# Allegro board 038RT-9068CJK8E-A100_0921.brd (continued)
## Copper pours and planes (outline as drawn; the poured copper is in the pictures) (continued)
SG1_P0_VDDIO on L27_POWER: 614.22,210.83 614.22,217.18 612.95,218.45 601.2,218.45 600.69,217.94 600.69,209.93 600.92,209.7 613.09,209.7
SG1_P1_LDOOUT on L23_POWER: 598.48,203.78 598.15,204.11 596.93,204.11 596.35,203.53 589.69,203.53 588.99,202.82 580.27,202.82 575.75,207.34 569.17,207.34 568.66,206.83 568.66,197.68 569.17,197.18 597.43,197.18 598.48,198.23
SG1_P1_VDDIO on BOTTOM: 592.46,188.27 593.75,188.27 593.81,188.32 593.81,193.49 594.01,193.7 594.01,194.38 593.94,194.46 592.44,194.46 592.38,194.4 592.38,188.34
SG1_P1_VDDIO on L17_SIGNAL: 595.92,201.1 592.93,201.1 592.74,200.92 592.74,198.17 590.53,195.95 590.53,192.43 591.01,191.95 593.74,191.95 594.24,192.45 594.24,194.39 596.07,196.22 596.07,200.95
SG1_P2_GIGA_MDI+ on TOP (solid shape): 629.71,201.62 628.78,201.18 627.85,200.79 627.08,201.55 627.07,201.61 627.12,201.64
SG1_P2_GIGA_MDI- on TOP (solid shape): 628.78,202.46 629.71,202.02 627.12,202 627.07,202.03 627.08,202.09 627.85,202.85
SG1_P3_GIGA_MDI+ on TOP (solid shape): 629.71,196.98 628.78,196.54 627.85,196.15 627.08,196.91 627.08,196.97 627.12,197
SG1_P3_GIGA_MDI- on TOP (solid shape): 628.78,197.82 629.71,197.38 627.12,197.36 627.08,197.39 627.08,197.45 627.85,198.21
SG1_P5_LDOOUT on L29_POWER: 599.02,205.13 596.1,205.13 595.89,204.92 595.89,200.76 595.49,200.35 589.45,200.35 583.06,206.74 568.81,206.74 568.52,206.45 568.52,201.68 569.85,200.35 583.42,200.35 588.82,194.95 597.07,194.95 599.27,197.15 599.27,204.87
SG1_P5_VDDIO on BOTTOM: 599.83,188.27 598.53,188.27 598.48,188.32 598.48,193.53 598.56,193.6 599.78,193.6 599.91,193.48 599.91,188.34
SG1_P5_VDDIO on L23_POWER: 606.92,196.79 606.92,200.03 605.84,201.11 599.63,201.11 599.09,200.58 599.09,197.92 597.71,196.54 597.68,196.54 597.68,191.86 598.71,190.83 600.95,190.83
SG1_SRC_DVDD09 on TOP: 578.95,40.41 578.95,42.06 579.2,42.31 587.96,42.31 588.09,42.18 588.09,40.41 587.84,40.15 579.2,40.15
SG1_SRC_DVDD09 on BOTTOM: 581.5,205.51 581.58,205.58 581.58,206.8 581.45,206.93 572.96,206.93 572.65,206.62 572.65,205.66 572.8,205.51
SG1_SRC_DVDD09 on BOTTOM: 572.73,208.63 572.73,209.92 572.78,209.97 579.97,209.97 580.04,209.9 580.04,208.68 579.91,208.55 572.8,208.55
SG1_SRC_DVDD09 on L11_SIGNAL: 575.37,68.4 575.37,159.53 585.04,169.2 600.95,169.2 609.94,178.19 609.94,186.78 606.5,190.22 577.72,190.22 572.88,195.06 572.88,214.31 573.56,214.99 641.96,214.99 643.29,213.66 660.41,213.66 663.24,210.83 663.24,29.03 646.19,11.99 637.24,4.96 358.4,4.96 348.54,14.82 348.54,31.69 356.68,39.82 555.68,39.82 559.26,43.39 559.26,52.28
SG1_SRC_DVDD33 on TOP: 585.05,45.76 592.77,45.76 593.05,46.04 593.05,49.93 593.26,50.13 593.26,52.47 593.21,52.52 585.18,52.52 584.72,52.06 584.72,46.09
SG1_SRC_DVDD33 on BOTTOM: 574.79,202.13 574.79,200.83 574.84,200.78 580.05,200.78 580.13,200.86 580.13,202.07 580,202.2 574.87,202.2
SG1_SRC_DVDD33 on BOTTOM: 596.59,226.69 597.89,226.69 597.94,226.64 597.94,220.99 597.85,220.9 596.76,220.9 596.52,221.14 596.52,226.61
SG1_SRC_DVDD33 on BOTTOM: 574.79,198.09 574.79,196.8 574.84,196.75 580.05,196.75 580.13,196.82 580.13,198.04 580,198.17 574.87,198.17
SG1_SRC_DVDD33 on BOTTOM: 604.47,226.69 605.76,226.69 605.81,226.64 605.81,220.99 605.72,220.9 604.63,220.9 603.92,221.61 602.12,221.61 601.99,221.74 601.99,223.06 602.19,223.26 603.91,223.26 604.39,223.74 604.39,226.61
SG1_SRC_DVDD33 on BOTTOM: 594.5,184.29 594.5,189.91 594.55,189.96 597.57,189.96 597.72,189.81 597.72,184.35 597.57,184.19 594.6,184.19
SG1_SRC_DVDD33 on BOTTOM: 596.19,226.69 594.89,226.69 594.84,226.64 594.84,220.96 594.88,220.92 596.17,220.92 596.26,221.02 596.26,226.61
SG1_SRC_DVDD33 on BOTTOM: 572.73,217.11 572.73,215.82 572.78,215.77 577.99,215.77 578.06,215.84 578.06,217.06 577.94,217.19 572.8,217.19
SG1_SRC_DVDD33 on L13_SIGNAL: 572.13,190.67 572.13,228.73 569.93,230.93 564.44,230.93 563.76,231.61 563.76,235.49 565.61,237.34 616.23,237.34 629.31,224.27 629.31,150.74 623.12,144.55 606.94,144.55 591.72,129.32 591.72,25.97 586.23,20.47 424.59,20.47 423.91,21.15 423.91,63.7 428.66,68.45 512.4,68.45 517.15,73.21 517.15,133.72 552.71,169.28 604.52,169.28 608.59,173.35 608.59,181.49 606.35,183.73 579.07,183.73
SG1_SWR09_OFFLINE on TOP: 582.44,45.55 582.76,45.23 582.76,43.33 582.44,43.01 575.45,43.01 575.14,43.33 573.36,43.33 572.98,42.95 572.98,41.17 573.36,40.79 573.74,40.79 573.99,40.53 573.99,38.5 573.74,38.25 571.96,38.25 571.64,38.56 571.64,44.28 572.91,45.55
SG1_VBAT on L03_SIGNAL: 599.92,203.51 600.08,203.35 631.03,203.35 633.33,205.66 633.33,210.88 632.61,211.6 600.34,211.6 599.92,211.18
SG1_VDC on TOP: 585.65,24.02 594.8,24.02 595.02,23.8 595.02,22.39 594.77,22.15 593.65,22.15 593.27,21.77 593.27,17.67 592.63,17.03 586.28,17.03 585.01,18.3 585.01,23.38
SG2_1_P2_GIGA_MDI+ on TOP (solid shape): 57.96,271.26 58.89,270.82 56.3,270.8 56.25,270.83 56.26,270.89 57.03,271.65
SG2_1_P2_GIGA_MDI- on TOP (solid shape): 58.89,270.42 57.96,269.98 57.03,269.59 56.26,270.35 56.25,270.41 56.3,270.44
SG2_1_P3_GIGA_MDI+ on TOP (solid shape): 57.96,275.9 58.89,275.46 56.3,275.44 56.25,275.47 56.26,275.53 57.03,276.29
SG2_1_P3_GIGA_MDI- on TOP (solid shape): 58.89,275.06 57.96,274.62 57.03,274.23 56.26,274.99 56.25,275.05 56.3,275.08
SG2_2_P2_GIGA_MDI+ on TOP (solid shape): 53.23,270.96 53.21,270.92 53.18,270.9 51.93,270.95 52.48,271.65 53.05,272.32
SG2_2_P2_GIGA_MDI- on TOP (solid shape): 53.18,270.34 53.21,270.32 53.23,270.28 53.05,268.92 52.48,269.59 51.93,270.29
SG2_2_P3_GIGA_MDI+ on TOP (solid shape): 53.23,275.6 53.21,275.56 53.18,275.54 51.93,275.59 52.48,276.29 53.05,276.96
SG2_2_P3_GIGA_MDI- on TOP (solid shape): 53.18,274.98 53.21,274.96 53.23,274.92 53.05,273.56 52.48,274.23 51.93,274.93
SG2_AVDD09 on BOTTOM: 112.29,260.38 112.29,261.67 112.24,261.72 107.19,261.72 106.89,261.43 106.89,260.51 107.1,260.3 112.22,260.3
SG2_AVDD09 on L30_POWER: 112.12,260.78 112.12,279.13 108.93,282.32 80.94,282.32 79.69,281.07 79.69,257.99 80.17,257.51 108.85,257.51
SG2_AVDD33 on BOTTOM: 97.81,250.05 96.51,250.05 96.46,250.1 96.46,255.15 96.59,255.28 97.63,255.28 97.89,255.02 97.89,250.12
SG2_AVDD33 on L29_POWER: 83.04,272.72 83.04,259.07 88.36,253.76 102.81,253.76 104,254.94 104,267.96 100.43,271.53 95.61,271.53 95.31,271.23 95.31,266.9 95.12,266.71 90.84,266.71 90.66,266.88 90.66,273.99 90.34,274.31 84.63,274.31
SG2_AVDD33_MOSFET on BOTTOM: 90.58,250.05 91.88,250.05 91.93,250.1 91.93,255.28 91.8,255.4 87.26,255.4 86.85,255 86.85,253.04 86.9,252.99 89.74,252.99 90.5,252.23 90.5,250.12
SG2_AVDD33_MOSFET on L27_POWER: 90.51,262.56 90.51,254.46 92.25,252.72 101.14,252.72 102.73,254.31 102.73,261.93 101.94,262.72 90.66,262.72
SG2_CKXTAL1 on BOTTOM (solid shape): 85.94,280.37 86.53,279.86 85.34,279.71 85.3,279.73 85.28,279.77 85.33,280.86
SG2_DVDD09 on BOTTOM: 115.89,269.04 115.89,267.74 115.84,267.69 105.31,267.69 105.14,267.52 103.59,267.52 103.46,267.64 103.46,268.81 103.76,269.11 115.81,269.11
SG2_DVDD09 on L23_POWER: 84.98,257.48 104.95,257.48 108.44,260.98 108.44,268.42 107.82,269.04 102.8,269.04 102.06,268.31 94.27,268.31 93.51,267.54 92.67,267.54 91.91,268.31 84.69,268.31 84.19,267.8 84.19,258.27
SG2_DVDD33 on BOTTOM: 112.26,277.77 112.26,276.47 112.21,276.42 107.03,276.42 106.87,276.26 105.83,276.26 105.67,276.41 105.67,277.78 105.74,277.84 112.18,277.84
SG2_DVDD33 on L27_POWER: 93.71,268.43 93.71,276.9 94.33,277.52 109.09,277.52 110.36,276.25 110.36,268.57 109.92,268.13 94.02,268.13
SG2_GPIO_VDDIO on BOTTOM: 114.32,258.75 114.32,257.45 114.27,257.4 109.22,257.4 109.09,257.53 109.09,258.57 109.35,258.82 114.25,258.82
SG2_GPIO_VDDIO on L15_SIGNAL: 92.9,270.49 92.9,260.48 93.2,260.17 100.18,260.17 102.93,257.42 110.09,257.42 110.53,257.86 110.53,270.42 110.23,270.72 93.13,270.72
SG2_LDOIN on BOTTOM: 112.26,273.73 112.26,272.44 112.21,272.39 107.15,272.39 106.87,272.67 106.87,273.4 107.28,273.81 112.18,273.81
SG2_LDOIN on L17_SIGNAL: 102.68,263.36 90.81,263.36 90.54,263.63 90.54,268.71 90.93,269.1 99.71,269.1 103.94,273.33 110.16,273.33 110.76,272.74 110.76,267.25 108.89,265.38 104.7,265.38
SG2_P0_LDOOUT on L15_SIGNAL: 91.15,237.47 92.06,238.37 92.06,246.25 93.2,247.39 93.2,257.48 92.29,258.4 92.29,264.9 92.06,265.13 84.4,265.13 84.2,264.93 84.2,237.99 84.72,237.47
SG2_P0_VDDIO on BOTTOM: 82.71,250.05 84,250.05 84.05,250.1 84.05,255.15 83.9,255.3 82.91,255.3 82.63,255.02 82.63,250.12
SG2_P0_VDDIO on L27_POWER: 76.37,261.61 76.37,255.26 77.64,253.99 89.39,253.99 89.9,254.5 89.9,262.51 89.67,262.74 77.5,262.74
SG2_P1_LDOOUT on L23_POWER: 92.11,268.66 92.44,268.33 93.66,268.33 94.24,268.91 100.9,268.91 101.6,269.62 110.33,269.62 114.84,265.1 121.42,265.1 121.93,265.61 121.93,274.76 121.43,275.26 93.16,275.26 92.11,274.21
SG2_P1_VDDIO on BOTTOM: 98.13,284.17 96.84,284.17 96.79,284.12 96.79,278.95 96.58,278.74 96.58,278.06 96.66,277.98 98.15,277.98 98.21,278.04 98.21,284.1
SG2_P1_VDDIO on L17_SIGNAL: 94.67,271.34 97.67,271.34 97.85,271.52 97.85,274.27 100.07,276.49 100.07,280.01 99.59,280.49 96.85,280.49 96.35,279.99 96.35,278.05 94.52,276.22 94.52,271.49
SG2_P2_GIGA_MDI+ on TOP (solid shape): 63.51,270.89 63.52,270.83 63.47,270.8 60.89,270.82 61.81,271.26 62.74,271.65
SG2_P2_GIGA_MDI- on TOP (solid shape): 63.47,270.44 63.52,270.41 63.51,270.35 62.74,269.59 61.81,269.98 60.89,270.42
SG2_P3_GIGA_MDI+ on TOP (solid shape): 63.51,275.53 63.52,275.47 63.47,275.44 60.89,275.46 61.81,275.9 62.74,276.29
SG2_P3_GIGA_MDI- on TOP (solid shape): 63.47,275.08 63.52,275.05 63.51,274.99 62.74,274.23 61.81,274.62 60.89,275.06
SG2_P5_LDOOUT on L29_POWER: 91.58,267.31 94.5,267.31 94.7,267.52 94.7,271.68 95.11,272.09 101.14,272.09 107.53,265.7 121.78,265.7 122.07,265.99 122.07,270.76 120.74,272.09 107.17,272.09 101.77,277.49 93.52,277.49 91.32,275.29 91.32,267.57
SG2_P5_VDDIO on BOTTOM: 90.76,284.17 92.06,284.17 92.11,284.12 92.11,278.91 92.03,278.84 90.81,278.84 90.69,278.96 90.69,284.1
SG2_P5_VDDIO on L23_POWER: 83.68,275.65 83.68,272.41 84.76,271.33 91.17,271.33 91.5,271.66 91.5,274.52 92.88,275.9 92.91,275.9 92.91,280.58 91.88,281.61 89.65,281.61
SG2_SRC_DVDD09 on TOP: 152.6,453.68 152.6,452.03 152.35,451.77 143.58,451.77 143.46,451.9 143.46,453.68 143.71,453.93 152.35,453.93
SG2_SRC_DVDD09 on BOTTOM: 117.87,263.81 117.87,262.52 117.82,262.47 110.62,262.47 110.55,262.54 110.55,263.76 110.68,263.89 117.79,263.89
SG2_SRC_DVDD09 on BOTTOM: 109.09,266.93 109.01,266.86 109.01,265.64 109.14,265.51 117.64,265.51 117.94,265.82 117.94,266.78 117.79,266.93
SG2_SRC_DVDD09 on L11_SIGNAL: 45.25,307.89 45.25,462.13 58.79,475.67 337.58,475.67 349.36,463.88 349.36,439.29 347.53,437.46 310.04,437.46 308.71,438.8 241.5,438.8 240.17,437.46 214.54,437.46 208.09,431.01 121.21,431.01 109.1,418.9 109.1,306.83 103.54,301.27 87.52,301.27 80.41,294.15 80.41,285.62 86.05,279.97 114.35,279.97 118.78,275.55 118.78,256 117.7,254.91 25.39,254.91 22.04,258.27 22.04,284.68
SG2_SRC_DVDD33 on TOP: 146.5,448.32 138.77,448.32 138.49,448.04 138.49,444.16 138.29,443.95 138.29,441.62 138.34,441.57 146.37,441.57 146.83,442.02 146.83,447.99
SG2_SRC_DVDD33 on BOTTOM: 86.13,245.75 84.83,245.75 84.78,245.8 84.78,251.45 84.87,251.54 85.96,251.54 86.67,250.83 88.48,250.83 88.6,250.7 88.6,249.38 88.4,249.18 86.68,249.18 86.2,248.7 86.2,245.83
SG2_SRC_DVDD33 on BOTTOM: 94,245.75 92.7,245.75 92.65,245.8 92.65,251.45 92.74,251.54 93.84,251.54 94.08,251.3 94.08,245.83
SG2_SRC_DVDD33 on BOTTOM: 115.8,270.31 115.8,271.61 115.75,271.66 110.54,271.66 110.47,271.58 110.47,270.37 110.59,270.24 115.73,270.24
SG2_SRC_DVDD33 on BOTTOM: 117.87,255.33 117.87,256.62 117.82,256.67 112.61,256.67 112.53,256.6 112.53,255.38 112.66,255.25 117.79,255.25
SG2_SRC_DVDD33 on BOTTOM: 96.09,288.15 96.09,282.53 96.04,282.48 93.02,282.48 92.87,282.63 92.87,288.09 93.03,288.25 95.99,288.25
SG2_SRC_DVDD33 on BOTTOM: 94.41,245.75 95.7,245.75 95.75,245.8 95.75,251.48 95.72,251.52 94.42,251.52 94.33,251.42 94.33,245.83
SG2_SRC_DVDD33 on BOTTOM: 115.8,274.35 115.8,275.64 115.75,275.69 110.54,275.69 110.47,275.62 110.47,274.4 110.59,274.27 115.73,274.27
SG2_SRC_DVDD33 on L13_SIGNAL: 118.21,291.43 118.21,244.24 120.31,242.15 127.04,242.15 128,241.19 128,234.06 126.93,232.98 69.67,232.98 67.54,235.11 67.54,260.21 66.33,261.42 66.33,293.83 69.42,296.92 69.42,324.02 71.32,325.92 71.32,345.59 96.94,371.2 96.94,442.82 120.99,466.88 266.39,466.88 269.67,463.6 269.67,416.75 264.92,412 188.99,412 177.11,400.12 177.11,350.33
SG2_SWR09_OFFLINE on TOP: 149.11,448.54 148.79,448.85 148.79,450.76 149.11,451.08 156.09,451.08 156.41,450.76 158.19,450.76 158.57,451.14 158.57,452.92 158.19,453.3 157.81,453.3 157.55,453.55 157.55,455.58 157.81,455.84 159.59,455.84 159.9,455.52 159.9,449.81 158.63,448.54
SG2_VBAT on L03_SIGNAL: 90.67,268.93 90.51,269.09 59.57,269.09 57.26,266.78 57.26,261.56 57.98,260.84 90.25,260.84 90.67,261.26
SG2_VDC on TOP: 133.38,445.45 126.4,445.45 125.76,446.08 125.76,451.8 126.4,452.43 132.75,452.43 134.02,451.16 134.02,446.08
SG3_1_P2_GIGA_MDI+ on TOP (solid shape): 634.29,261.64 634.34,261.61 634.33,261.55 633.57,260.79 632.63,261.18 631.71,261.62
SG3_1_P2_GIGA_MDI- on TOP (solid shape): 634.33,262.09 634.34,262.03 634.29,262 631.71,262.02 632.63,262.46 633.57,262.85
SG3_1_P3_GIGA_MDI+ on TOP (solid shape): 634.29,257 634.34,256.97 634.33,256.91 633.57,256.15 632.63,256.54 631.71,256.98
SG3_1_P3_GIGA_MDI- on TOP (solid shape): 634.33,257.45 634.34,257.39 634.29,257.36 631.71,257.38 632.63,257.82 633.57,258.21
SG3_2_P2_GIGA_MDI+ on TOP (solid shape): 638.66,261.49 638.11,260.79 637.55,260.12 637.37,261.48 637.38,261.52 637.42,261.54
SG3_2_P2_GIGA_MDI- on TOP (solid shape): 638.11,262.85 638.66,262.15 637.42,262.1 637.38,262.12 637.37,262.16 637.55,263.52
SG3_2_P3_GIGA_MDI+ on TOP (solid shape): 638.66,256.85 638.11,256.15 637.55,255.48 637.37,256.84 637.38,256.88 637.42,256.9
SG3_2_P3_GIGA_MDI- on TOP (solid shape): 638.11,258.21 638.66,257.51 637.42,257.46 637.38,257.48 637.37,257.52 637.55,258.88
SG3_AVDD09 on BOTTOM: 578.3,272.06 578.3,270.77 578.35,270.72 583.41,270.72 583.7,271.01 583.7,271.93 583.5,272.14 578.38,272.14
SG3_AVDD09 on L30_POWER: 578.47,271.66 578.47,253.31 581.66,250.12 609.66,250.12 610.9,251.37 610.9,274.45 610.42,274.93 581.75,274.93
SG3_AVDD33 on BOTTOM: 592.78,282.39 594.08,282.39 594.13,282.34 594.13,277.29 594.01,277.16 592.96,277.16 592.71,277.42 592.71,282.32
SG3_AVDD33 on L29_POWER: 607.55,259.71 607.55,273.37 602.24,278.68 587.78,278.68 586.6,277.5 586.6,264.48 590.17,260.91 594.98,260.91 595.28,261.21 595.28,265.54 595.47,265.73 599.75,265.73 599.93,265.56 599.93,258.44 600.25,258.13 605.96,258.13
SG3_AVDD33_MOSFET on BOTTOM: 600.01,282.39 598.72,282.39 598.67,282.34 598.67,277.16 598.79,277.04 603.34,277.04 603.74,277.44 603.74,279.4 603.69,279.45 600.85,279.45 600.09,280.21 600.09,282.32
SG3_AVDD33_MOSFET on L27_POWER: 600.08,269.88 600.08,277.98 598.34,279.72 589.45,279.72 587.87,278.13 587.87,270.51 588.65,269.72 599.93,269.72
SG3_CKXTAL1 on BOTTOM (solid shape): 605.25,252.73 605.29,252.71 605.31,252.67 605.27,251.58 604.66,252.07 604.07,252.58
SG3_DVDD09 on BOTTOM: 574.71,263.4 574.71,264.7 574.76,264.75 585.28,264.75 585.45,264.92 587,264.92 587.13,264.8 587.13,263.63 586.83,263.33 574.78,263.33
SG3_DVDD09 on L23_POWER: 605.62,274.95 585.64,274.95 582.15,271.46 582.15,264.02 582.78,263.4 587.79,263.4 588.53,264.13 596.33,264.13 597.09,264.9 597.93,264.9 598.69,264.13 605.9,264.13 606.41,264.64 606.41,274.17
SG3_DVDD33 on BOTTOM: 578.33,254.67 578.33,255.97 578.39,256.02 583.56,256.02 583.73,256.18 584.77,256.18 584.92,256.03 584.92,254.66 584.86,254.6 578.41,254.6
SG3_DVDD33 on L27_POWER: 596.88,264.01 596.88,255.54 596.27,254.92 581.5,254.92 580.23,256.19 580.23,263.87 580.67,264.31 596.57,264.31
SG3_GPIO_VDDIO on BOTTOM: 576.27,273.69 576.27,274.99 576.32,275.04 581.37,275.04 581.5,274.91 581.5,273.87 581.25,273.62 576.35,273.62
SG3_GPIO_VDDIO on L15_SIGNAL: 597.7,261.95 597.7,271.96 597.39,272.27 590.41,272.27 587.66,275.02 580.5,275.02 580.06,274.58 580.06,262.02 580.36,261.72 597.47,261.72
SG3_LDOIN on BOTTOM: 578.33,258.71 578.33,260 578.39,260.05 583.44,260.05 583.73,259.77 583.73,259.04 583.31,258.63 578.41,258.63
SG3_LDOIN on L17_SIGNAL: 587.91,269.08 599.78,269.08 600.06,268.81 600.06,263.73 599.67,263.34 590.88,263.34 586.65,259.11 580.43,259.11 579.84,259.7 579.84,265.19 581.7,267.06 585.89,267.06
SG3_P0_LDOOUT on L15_SIGNAL: 599.44,294.97 598.53,294.07 598.53,286.19 597.39,285.05 597.39,274.95 598.31,274.04 598.31,267.54 598.53,267.31 606.19,267.31 606.4,267.51 606.4,294.45 605.87,294.97
SG3_P0_VDDIO on BOTTOM: 607.89,282.39 606.59,282.39 606.54,282.34 606.54,277.29 606.69,277.14 607.69,277.14 607.96,277.42 607.96,282.32
SG3_P0_VDDIO on L27_POWER: 614.22,270.83 614.22,277.18 612.95,278.45 601.2,278.45 600.69,277.94 600.69,269.93 600.92,269.7 613.09,269.7
SG3_P1_LDOOUT on L23_POWER: 598.48,263.78 598.15,264.11 596.93,264.11 596.35,263.52 589.69,263.52 588.99,262.82 580.27,262.82 575.75,267.33 569.17,267.33 568.66,266.83 568.66,257.68 569.17,257.18 597.43,257.18 598.48,258.23
SG3_P1_VDDIO on BOTTOM: 592.46,248.27 593.75,248.27 593.81,248.32 593.81,253.49 594.01,253.7 594.01,254.38 593.94,254.46 592.44,254.46 592.38,254.4 592.38,248.34
SG3_P1_VDDIO on L17_SIGNAL: 595.92,261.1 592.93,261.1 592.74,260.92 592.74,258.17 590.53,255.95 590.53,252.43 591.01,251.95 593.74,251.95 594.24,252.45 594.24,254.39 596.07,256.22 596.07,260.95
SG3_P2_GIGA_MDI+ on TOP (solid shape): 629.71,261.62 628.78,261.18 627.85,260.79 627.08,261.55 627.07,261.61 627.12,261.64
SG3_P2_GIGA_MDI- on TOP (solid shape): 628.78,262.46 629.71,262.02 627.12,262 627.07,262.03 627.08,262.09 627.85,262.85
SG3_P3_GIGA_MDI+ on TOP (solid shape): 629.71,256.98 628.78,256.54 627.85,256.15 627.08,256.91 627.08,256.97 627.12,257
SG3_P3_GIGA_MDI- on TOP (solid shape): 628.78,257.82 629.71,257.38 627.12,257.36 627.08,257.39 627.08,257.45 627.85,258.21
SG3_P5_LDOOUT on L29_POWER: 599.02,265.13 596.1,265.13 595.89,264.92 595.89,260.76 595.49,260.35 589.45,260.35 583.06,266.74 568.81,266.74 568.52,266.45 568.52,261.68 569.85,260.35 583.42,260.35 588.82,254.95 597.07,254.95 599.27,257.15 599.27,264.87
SG3_P5_VDDIO on BOTTOM: 599.83,248.27 598.53,248.27 598.48,248.32 598.48,253.53 598.56,253.6 599.78,253.6 599.91,253.48 599.91,248.34
SG3_P5_VDDIO on L23_POWER: 606.92,256.79 606.92,260.03 605.84,261.11 599.63,261.11 599.09,260.58 599.09,257.92 597.71,256.54 597.68,256.54 597.68,251.85 598.71,250.82 600.95,250.82
SG3_SRC_DVDD09 on TOP: 568.81,450.66 568.81,449.01 568.56,448.75 559.8,448.75 559.67,448.88 559.67,450.66 559.92,450.91 568.56,450.91
SG3_SRC_DVDD09 on BOTTOM: 572.73,268.63 572.73,269.92 572.78,269.97 579.97,269.97 580.04,269.9 580.04,268.68 579.91,268.55 572.8,268.55
SG3_SRC_DVDD09 on BOTTOM: 581.5,265.51 581.58,265.58 581.58,266.8 581.45,266.93 572.96,266.93 572.65,266.62 572.65,265.66 572.8,265.51
SG3_SRC_DVDD09 on L11_SIGNAL: 572.68,286.39 574.75,288.46 626.66,288.46 636.93,278.19 640.49,278.19 641.11,278.81 641.11,290.41 636.64,294.88 609.66,294.88 606.71,297.82 606.71,429.65 604.34,432.03 503.51,432.03 501.82,433.73 491.92,433.73 490.08,435.56 490.08,476.05 494.38,480.35 651.35,480.35 653.96,477.74 653.96,381.65 648.37,376.07 648.37,314.27 670.68,291.97 670.68,248.28 664.68,242.28 605.39,242.28 601.53,246.14 577.13,246.14 572.68,250.58
SG3_SRC_DVDD33 on TOP: 562.71,445.3 554.98,445.3 554.71,445.02 554.71,441.14 554.5,440.93 554.5,438.6 554.55,438.55 562.58,438.55 563.04,439 563.04,444.97
SG3_SRC_DVDD33 on BOTTOM: 594.5,244.29 594.5,249.91 594.55,249.96 597.57,249.96 597.72,249.81 597.72,244.35 597.57,244.19 594.6,244.19
SG3_SRC_DVDD33 on BOTTOM: 596.59,286.69 597.89,286.69 597.94,286.64 597.94,280.99 597.85,280.9 596.76,280.9 596.52,281.14 596.52,286.61
SG3_SRC_DVDD33 on BOTTOM: 574.79,262.13 574.79,260.83 574.84,260.78 580.05,260.78 580.13,260.86 580.13,262.07 580,262.2 574.87,262.2
SG3_SRC_DVDD33 on BOTTOM: 572.73,277.11 572.73,275.82 572.78,275.77 577.99,275.77 578.06,275.84 578.06,277.06 577.94,277.19 572.8,277.19
SG3_SRC_DVDD33 on BOTTOM: 596.19,286.69 594.89,286.69 594.84,286.64 594.84,280.96 594.88,280.92 596.17,280.92 596.26,281.02 596.26,286.61
SG3_SRC_DVDD33 on BOTTOM: 604.47,286.69 605.76,286.69 605.81,286.64 605.81,280.99 605.72,280.9 604.63,280.9 603.92,281.61 602.12,281.61 601.99,281.74 601.99,283.06 602.19,283.26 603.91,283.26 604.39,283.74 604.39,286.61
SG3_SRC_DVDD33 on BOTTOM: 574.79,258.09 574.79,256.8 574.84,256.75 580.05,256.75 580.13,256.82 580.13,258.04 580,258.17 574.87,258.17
SG3_SRC_DVDD33 on L13_SIGNAL: 574.63,255.32 574.63,260.99 572.37,263.25 572.37,289.11 570.73,290.75 558.74,290.75 557.3,289.32 557.3,287.69 555.9,286.29 527.9,286.29 527.25,286.94 527.25,292.98 552.72,318.45 552.72,340.82 548.65,344.9 523.26,344.9 517.15,351.01 517.15,404.42 511.49,410.08 344.02,410.08 341.08,413.02 341.08,462.13 346.06,467.11 566.73,467.11 596.76,437.08 596.76,340.09 618.41,318.43 618.41,248.64 613.28,243.51 586.44,243.51
SG3_SWR09_OFFLINE on TOP: 565.32,445.51 565,445.83 565,447.74 565.32,448.05 572.3,448.05 572.62,447.74 574.4,447.74 574.78,448.12 574.78,449.9 574.4,450.28 574.02,450.28 573.77,450.53 573.77,452.56 574.02,452.82 575.8,452.82 576.11,452.5 576.11,446.78 574.84,445.51
SG3_VBAT on L03_SIGNAL: 599.92,263.51 600.08,263.35 631.03,263.35 633.33,265.66 633.33,270.88 632.61,271.6 600.34,271.6 599.92,271.18
SG3_VDC on TOP: 550.92,444.58 543.94,444.58 543.3,445.21 543.3,450.93 543.94,451.56 550.29,451.56 551.56,450.29 551.56,445.21
SH0_DPS_5V0 on BOTTOM: 221.67,37.47 221.76,37.56 222.56,37.56 222.62,37.5 222.62,35.19 223.77,34.04 223.77,32.05 223.51,31.8 222.16,31.8 221.67,32.29
SH0_DPS_5V0 on BOTTOM: 215.46,34.62 215.46,36.47 215.69,36.7 216.61,36.7 216.69,36.62 216.69,33.08 216.5,32.89 214.8,32.89 214.71,32.98 214.71,34.34 214.87,34.5 215.35,34.5
SH0_DPS_5V0 on BOTTOM: 283.68,37.47 283.77,37.56 284.57,37.56 284.63,37.5 284.63,35.19 285.78,34.04 285.78,32.05 285.52,31.8 284.17,31.8 283.68,32.29
SH0_DPS_5V0 on BOTTOM: 277.47,34.62 277.47,36.47 277.7,36.7 278.62,36.7 278.7,36.62 278.7,33.08 278.51,32.89 276.81,32.89 276.72,32.98 276.72,34.34 276.88,34.5 277.36,34.5
SH0_DPS_5V0 on BOTTOM: 246.26,14.13 246.26,18.61 245.72,19.15 244.95,19.15 244.65,19.44 244.65,21.15 245.84,22.34 245.84,24.39 245.43,24.8 241.48,24.8 241.48,13.8 242.29,12.99 245.13,12.99
SH0_DPS_5V0 on L09_SIGNAL: 206.6,35.31 206.6,19.93 211,15.54 285.95,15.54 288.72,18.31 288.72,37.92 288.58,38.06 274.56,38.06 273.13,39.49 232.43,39.49 232.19,39.26 210.55,39.26
SH1_DPS_5V0 on BOTTOM: 397.91,34.62 397.91,36.47 398.14,36.7 399.06,36.7 399.14,36.62 399.14,33.08 398.95,32.89 397.25,32.89 397.16,32.98 397.16,34.34 397.32,34.5 397.8,34.5
SH1_DPS_5V0 on BOTTOM: 459.92,34.62 459.92,36.47 460.15,36.7 461.07,36.7 461.15,36.62 461.15,33.08 460.96,32.89 459.26,32.89 459.17,32.98 459.17,34.34 459.33,34.5 459.81,34.5
SH1_DPS_5V0 on BOTTOM: 466.13,37.47 466.21,37.56 467.02,37.56 467.08,37.5 467.08,35.19 468.23,34.04 468.23,32.05 467.97,31.8 466.62,31.8 466.13,32.29
SH1_DPS_5V0 on BOTTOM: 404.12,37.47 404.2,37.56 405.01,37.56 405.07,37.5 405.07,35.19 406.22,34.04 406.22,32.05 405.96,31.8 404.61,31.8 404.12,32.29
SH1_DPS_5V0 on BOTTOM: 428.71,14.13 428.71,18.61 428.17,19.15 427.4,19.15 427.1,19.44 427.1,21.15 428.28,22.34 428.28,24.39 427.87,24.8 423.93,24.8 423.93,13.8 424.74,12.99 427.58,12.99
SH1_DPS_5V0 on L09_SIGNAL: 389.05,35.31 389.05,19.93 393.45,15.54 468.4,15.54 471.17,18.31 471.17,37.92 471.05,38.05 457.03,38.05 455.58,39.49 414.88,39.49 414.64,39.26 393,39.26
SH01_L_SWR_5TO1_OUT on BOTTOM: 220.2,29.7 220.2,35.51 219.28,36.44 219.28,37.45 219.4,37.57 220.51,37.57 220.68,37.4 220.68,36.96 221.37,36.26 221.37,28.23 220.66,27.51 216.15,27.51 215.35,26.71 214.2,26.71 214.09,26.82 214.09,28.3 214.46,28.67 219.17,28.67
SH01_L_SWR_5TO1_OUT on BOTTOM: 210.85,33.74 210.85,38 210.6,38.25 206.77,38.25 206.54,38.48 206.54,38.93 206.73,39.12 216.42,39.12 216.5,39.04 217.35,39.04 217.49,39.17 217.49,40.62 217.1,41 204.75,41 204.57,40.82 204.57,33.43 205.27,32.73 209.85,32.73
SH01_L_SWR_5TO1_OUT on BOTTOM: 218.77,46.85 219.39,46.85 219.95,46.29 222.31,46.29 222.44,46.16 222.44,43.78 222.24,43.58 217.54,43.58 216.64,44.48 216.64,45.66 216.51,45.79 215.36,45.79 215.22,45.65 215.22,45.04 215.18,45 214.38,45 214.3,45.07 214.3,46.55 215.44,47.68 215.44,50.1 217.35,52 219.44,52 219.64,52.2 219.64,55.82 219.84,56.01 222.22,56.01 222.58,55.65 222.58,51.67 220.96,50.05 219.25,50.05 218.66,49.47 218.66,46.96
SH01_L_SWR_5TO1_OUT on BOTTOM: 225.44,37.59 226.35,37.59 227.15,36.79 227.15,36.17 227.71,35.62 228.88,35.62 229.1,35.4 229.1,33.88 228.99,33.77 226.38,33.77 225.95,34.2 225.95,35.73 225.71,35.97 225.37,35.97 225.21,36.12 225.21,37.36
SH01_LDO_5TO3_OUT on BOTTOM: 217.27,43.11 217.51,42.87 217.51,41.94 217.33,41.76 201.04,41.76 200.86,41.94 200.86,44.21 201.02,44.38 202.54,44.38 202.74,44.18 202.74,43.29 202.92,43.11
SH01_LDO_5TO3_OUT on BOTTOM: 226.5,37.82 225.37,37.82 225.21,37.98 225.21,38.49 225.36,38.63 227.01,38.63 227.85,37.79 228.89,37.79 229.07,37.61 229.07,35.8 229.05,35.77 227.9,35.77 227.49,36.19 227.49,36.83
SH01_LDO_5TO3_OUT on BOTTOM: 218.84,28.93 214.12,28.93 214.04,29 214.04,30.32 214.19,30.46 218.19,30.46 218.32,30.6 218.32,34.67 217.26,35.73 217.26,37.49 217.37,37.59 218.33,37.59 218.65,37.28 218.65,36.41 219.68,35.38 219.68,29.77
SH01_LDO_5TO3_OUT on BOTTOM: 222.88,37.48 222.94,37.54 223.84,37.54 223.98,37.4 223.98,36.28 225.66,34.6 225.66,31.91 225.54,31.79 224.22,31.79 224.13,31.87 224.13,34.13 222.88,35.39
SH01_LDO_5TO3_OUT on BOTTOM: 214.39,44.66 215.08,44.66 215.21,44.53 215.21,43.55 215.06,43.39 212.58,43.39 212.38,43.59 212.38,47.83 213.07,48.52 213.07,51.79 213.31,52.03 215.01,52.03 215.2,52.22 215.2,53.79 215.3,53.89 216.56,53.89 216.71,53.74 216.71,52.09 215.03,50.42 215.03,47.89 214.02,46.87 214.02,45.04
SH01_LDO_5TO3_OUT on L07_SIGNAL: 213.35,44.86 213.35,39.83 217.46,35.72 225.94,35.72 227.58,37.36 237.2,37.36 239.46,35.1 239.46,23.51 237.18,21.23 201.73,21.23 198.26,24.7 198.26,58.58 199.02,59.34 225.87,59.34 228.61,56.6 228.61,44.02 227.04,42.45 223.09,42.45 219.42,46.12 214.61,46.12
SH01_SWR_5TO1_OUT on TOP: 211.68,38.35 211.68,36.07 212.02,35.72 213.31,35.72 214.57,36.98 214.99,36.98 215.28,37.27 215.28,37.56 214.27,38.58 211.9,38.58
SH01_SWR_5TO1_OUT on BOTTOM: 211.6,37.91 211.6,35.57 211.92,35.26 213.36,35.26 213.64,35.53 213.64,37.92 213.34,38.22 211.91,38.22
SH01_USB_AVDD10 on BOTTOM: 230.25,38.89 225.41,38.89 225.08,39.22 225.08,43.29 225.18,43.38 239.84,43.38 240.02,43.19 240.02,41 239.43,40.41 231.78,40.41
SH2_DPS_5V0 on BOTTOM: 284.84,438.7 284.76,438.62 283.95,438.62 283.89,438.67 283.89,440.98 282.74,442.13 282.74,444.12 283,444.38 284.35,444.38 284.84,443.88
SH2_DPS_5V0 on BOTTOM: 229.04,441.56 229.04,439.71 228.81,439.48 227.89,439.48 227.81,439.56 227.81,443.09 228,443.28 229.7,443.28 229.79,443.19 229.79,441.83 229.63,441.67 229.15,441.67
SH2_DPS_5V0 on BOTTOM: 260.25,462.05 260.25,457.57 260.79,457.03 261.56,457.03 261.86,456.73 261.86,455.02 260.68,453.84 260.68,451.78 261.09,451.37 265.03,451.37 265.03,462.37 264.22,463.18 261.38,463.18
SH2_DPS_5V0 on BOTTOM: 222.83,438.7 222.75,438.62 221.94,438.62 221.88,438.67 221.88,440.98 220.73,442.13 220.73,444.12 220.99,444.38 222.34,444.38 222.83,443.88
SH2_DPS_5V0 on BOTTOM: 291.05,441.56 291.05,439.71 290.82,439.48 289.9,439.48 289.82,439.56 289.82,443.09 290.01,443.28 291.71,443.28 291.8,443.19 291.8,441.83 291.64,441.67 291.16,441.67
SH2_DPS_5V0 on L09_SIGNAL: 302.36,441.34 302.36,456.72 297.97,461.11 223.01,461.11 220.24,458.34 220.24,438.73 220.53,438.44 230.65,438.44 230.75,438.54 231.95,438.54 232.04,438.44 234.55,438.44 235.83,437.16 276.53,437.16 276.77,437.4 298.41,437.4
SH02_L_SWR_5TO1_OUT on BOTTOM: 282.21,29.7 282.21,35.51 281.29,36.44 281.29,37.45 281.41,37.57 282.52,37.57 282.69,37.4 282.69,36.96 283.38,36.26 283.38,28.23 282.67,27.51 278.16,27.51 277.36,26.71 276.21,26.71 276.1,26.82 276.1,28.3 276.47,28.67 281.18,28.67
SH02_L_SWR_5TO1_OUT on BOTTOM: 272.86,33.74 272.86,38 272.61,38.25 268.78,38.25 268.55,38.48 268.55,38.93 268.74,39.12 278.43,39.12 278.51,39.04 279.36,39.04 279.5,39.17 279.5,40.62 279.11,41 266.76,41 266.58,40.82 266.58,33.43 267.28,32.73 271.86,32.73
SH02_L_SWR_5TO1_OUT on BOTTOM: 280.78,46.85 281.4,46.85 281.96,46.29 284.32,46.29 284.45,46.16 284.45,43.78 284.25,43.58 279.55,43.58 278.64,44.48 278.64,45.66 278.52,45.79 277.37,45.79 277.23,45.65 277.23,45.04 277.19,45 276.39,45 276.31,45.07 276.31,46.55 277.45,47.68 277.45,50.1 279.35,52 281.45,52 281.65,52.2 281.65,55.82 281.85,56.01 284.22,56.01 284.59,55.65 284.59,51.67 282.97,50.05 281.26,50.05 280.67,49.47 280.67,46.96
SH02_L_SWR_5TO1_OUT on BOTTOM: 287.45,37.59 288.36,37.59 289.16,36.79 289.16,36.17 289.71,35.62 290.89,35.62 291.11,35.4 291.11,33.88 291,33.77 288.39,33.77 287.96,34.2 287.96,35.73 287.72,35.97 287.37,35.97 287.22,36.12 287.22,37.36
SH02_LDO_5TO3_OUT on BOTTOM: 280.85,28.93 276.13,28.93 276.05,29 276.05,30.32 276.2,30.46 280.2,30.46 280.33,30.6 280.33,34.67 279.27,35.73 279.27,37.49 279.38,37.59 280.34,37.59 280.65,37.28 280.65,36.41 281.69,35.38 281.69,29.77
SH02_LDO_5TO3_OUT on BOTTOM: 284.89,37.48 284.95,37.54 285.85,37.54 285.99,37.4 285.99,36.28 287.67,34.6 287.67,31.91 287.55,31.79 286.23,31.79 286.14,31.87 286.14,34.13 284.89,35.39
SH02_LDO_5TO3_OUT on BOTTOM: 279.28,43.11 279.52,42.87 279.52,41.94 279.34,41.76 263.05,41.76 262.87,41.94 262.87,44.21 263.03,44.38 264.55,44.38 264.75,44.18 264.75,43.29 264.93,43.11
SH02_LDO_5TO3_OUT on BOTTOM: 288.51,37.82 287.38,37.82 287.22,37.98 287.22,38.49 287.37,38.63 289.02,38.63 289.86,37.79 290.9,37.79 291.08,37.61 291.08,35.8 291.05,35.77 289.91,35.77 289.5,36.19 289.5,36.83
SH02_LDO_5TO3_OUT on BOTTOM: 276.4,44.66 277.09,44.66 277.22,44.53 277.22,43.55 277.07,43.39 274.59,43.39 274.39,43.59 274.39,47.83 275.08,48.52 275.08,51.79 275.32,52.03 277.02,52.03 277.21,52.22 277.21,53.79 277.31,53.89 278.57,53.89 278.72,53.74 278.72,52.09 277.04,50.42 277.04,47.89 276.03,46.87 276.03,45.04
SH02_LDO_5TO3_OUT on L07_SIGNAL: 275.36,44.86 275.36,39.83 279.47,35.72 287.95,35.72 289.59,37.36 299.21,37.36 301.47,35.1 301.47,23.51 299.19,21.23 263.74,21.23 260.27,24.7 260.27,58.58 261.03,59.34 287.88,59.34 290.62,56.6 290.62,44.02 289.05,42.45 285.1,42.45 281.43,46.12 276.62,46.12
SH02_SWR_5TO1_OUT on TOP: 273.68,38.35 273.68,36.07 274.03,35.72 275.32,35.72 276.58,36.98 277,36.98 277.29,37.27 277.29,37.56 276.28,38.58 273.91,38.58
SH02_SWR_5TO1_OUT on BOTTOM: 273.61,37.91 273.61,35.57 273.93,35.26 275.37,35.26 275.65,35.53 275.65,37.92 275.35,38.22 273.92,38.22
SH02_USB_AVDD10 on BOTTOM: 292.26,38.89 287.42,38.89 287.09,39.22 287.09,43.29 287.19,43.38 301.85,43.38 302.03,43.19 302.03,41 301.44,40.41 293.79,40.41
SH3_DPS_5V0 on BOTTOM: 438.03,462.05 438.03,457.57 438.58,457.03 439.35,457.03 439.64,456.73 439.64,455.02 438.46,453.84 438.46,451.78 438.87,451.37 442.82,451.37 442.82,462.37 442.01,463.18 439.17,463.18
SH3_DPS_5V0 on BOTTOM: 462.63,438.7 462.54,438.62 461.73,438.62 461.68,438.67 461.68,440.98 460.53,442.13 460.53,444.12 460.78,444.38 462.13,444.38 462.63,443.88
SH3_DPS_5V0 on BOTTOM: 400.62,438.7 400.53,438.62 399.72,438.62 399.67,438.67 399.67,440.98 398.52,442.13 398.52,444.12 398.77,444.38 400.12,444.38 400.62,443.88
SH3_DPS_5V0 on BOTTOM: 406.83,441.56 406.83,439.71 406.6,439.48 405.68,439.48 405.6,439.56 405.6,443.09 405.79,443.28 407.48,443.28 407.58,443.19 407.58,441.83 407.42,441.67 406.94,441.67
SH3_DPS_5V0 on BOTTOM: 468.83,441.56 468.83,439.71 468.61,439.48 467.69,439.48 467.61,439.56 467.61,443.09 467.8,443.28 469.49,443.28 469.59,443.19 469.59,441.83 469.43,441.67 468.95,441.67
SH3_DPS_5V0 on L09_SIGNAL: 476.34,441.34 476.34,456.72 471.94,461.11 396.99,461.11 394.22,458.34 394.22,438.73 394.5,438.44 404.62,438.44 404.72,438.53 406.14,438.53 406.23,438.44 408.52,438.44 409.81,437.16 450.51,437.16 450.75,437.4 472.39,437.4
SH11_L_SWR_5TO1_OUT on BOTTOM: 401.22,46.85 401.84,46.85 402.4,46.29 404.76,46.29 404.89,46.16 404.89,43.78 404.69,43.58 399.98,43.58 399.08,44.48 399.08,45.66 398.96,45.79 397.81,45.79 397.67,45.65 397.67,45.04 397.63,45 396.83,45 396.75,45.07 396.75,46.55 397.89,47.68 397.89,50.1 399.79,52 401.89,52 402.09,52.2 402.09,55.82 402.28,56.01 404.66,56.01 405.03,55.65 405.03,51.67 403.41,50.05 401.7,50.05 401.11,49.47 401.11,46.96
SH11_L_SWR_5TO1_OUT on BOTTOM: 393.3,33.74 393.3,38 393.05,38.25 389.22,38.25 388.99,38.48 388.99,38.93 389.18,39.12 398.87,39.12 398.95,39.04 399.8,39.04 399.94,39.17 399.94,40.62 399.55,41 387.2,41 387.02,40.82 387.02,33.43 387.71,32.73 392.3,32.73
SH11_L_SWR_5TO1_OUT on BOTTOM: 402.65,29.7 402.65,35.51 401.73,36.44 401.73,37.45 401.85,37.57 402.96,37.57 403.13,37.4 403.13,36.96 403.82,36.26 403.82,28.23 403.1,27.51 398.6,27.51 397.8,26.71 396.64,26.71 396.54,26.82 396.54,28.3 396.91,28.67 401.62,28.67
SH11_L_SWR_5TO1_OUT on BOTTOM: 407.88,37.59 408.8,37.59 409.6,36.79 409.6,36.17 410.15,35.62 411.33,35.62 411.55,35.4 411.55,33.88 411.44,33.77 408.82,33.77 408.4,34.2 408.4,35.73 408.16,35.97 407.81,35.97 407.65,36.12 407.65,37.36
SH11_LDO_5TO3_OUT on BOTTOM: 399.71,43.11 399.96,42.87 399.96,41.94 399.78,41.76 383.49,41.76 383.31,41.94 383.31,44.21 383.47,44.38 384.99,44.38 385.19,44.18 385.19,43.29 385.37,43.11
SH11_LDO_5TO3_OUT on BOTTOM: 405.33,37.48 405.38,37.54 406.29,37.54 406.43,37.4 406.43,36.28 408.11,34.6 408.11,31.91 407.99,31.79 406.67,31.79 406.58,31.87 406.58,34.13 405.33,35.39
SH11_LDO_5TO3_OUT on BOTTOM: 408.95,37.82 407.82,37.82 407.66,37.98 407.66,38.49 407.8,38.63 409.46,38.63 410.3,37.79 411.34,37.79 411.52,37.61 411.52,35.8 411.49,35.77 410.35,35.77 409.94,36.19 409.94,36.83
SH11_LDO_5TO3_OUT on BOTTOM: 396.84,44.66 397.53,44.66 397.66,44.53 397.66,43.55 397.5,43.39 395.03,43.39 394.83,43.59 394.83,47.83 395.52,48.52 395.52,51.79 395.76,52.03 397.46,52.03 397.64,52.22 397.64,53.79 397.74,53.89 399.01,53.89 399.16,53.74 399.16,52.09 397.48,50.42 397.48,47.89 396.46,46.87 396.46,45.04
SH11_LDO_5TO3_OUT on BOTTOM: 401.28,28.93 396.57,28.93 396.49,29 396.49,30.32 396.64,30.46 400.64,30.46 400.77,30.6 400.77,34.67 399.71,35.73 399.71,37.49 399.81,37.59 400.78,37.59 401.09,37.28 401.09,36.41 402.12,35.38 402.12,29.77
SH11_LDO_5TO3_OUT on L07_SIGNAL: 395.8,44.86 395.8,39.83 399.91,35.72 408.39,35.72 410.03,37.36 419.65,37.36 421.91,35.1 421.91,23.51 419.63,21.23 384.18,21.23 380.71,24.7 380.71,58.58 381.47,59.34 408.32,59.34 411.06,56.6 411.06,44.02 409.49,42.45 405.54,42.45 401.87,46.12 397.05,46.12
SH11_SWR_5TO1_OUT on TOP: 394.12,38.35 394.12,36.07 394.47,35.72 395.76,35.72 397.02,36.98 397.44,36.98 397.73,37.27 397.73,37.56 396.72,38.58 394.34,38.58
SH11_SWR_5TO1_OUT on BOTTOM: 394.05,37.91 394.05,35.57 394.36,35.26 395.81,35.26 396.09,35.53 396.09,37.92 395.79,38.22 394.36,38.22
SH11_USB_AVDD10 on BOTTOM: 412.7,38.89 407.86,38.89 407.53,39.22 407.53,43.29 407.62,43.38 422.29,43.38 422.47,43.19 422.47,41 421.88,40.41 414.23,40.41
SH12_L_SWR_5TO1_OUT on BOTTOM: 469.89,37.59 470.81,37.59 471.61,36.79 471.61,36.17 472.16,35.62 473.34,35.62 473.56,35.4 473.56,33.88 473.45,33.77 470.83,33.77 470.41,34.2 470.41,35.73 470.17,35.97 469.82,35.97 469.66,36.12 469.66,37.36
SH12_L_SWR_5TO1_OUT on BOTTOM: 464.66,29.7 464.66,35.51 463.74,36.44 463.74,37.45 463.86,37.57 464.97,37.57 465.14,37.4 465.14,36.96 465.83,36.26 465.83,28.23 465.11,27.51 460.61,27.51 459.81,26.71 458.65,26.71 458.54,26.82 458.54,28.3 458.92,28.67 463.63,28.67
SH12_L_SWR_5TO1_OUT on BOTTOM: 455.31,33.74 455.31,38 455.06,38.25 451.23,38.25 451,38.48 451,38.93 451.19,39.12 460.88,39.12 460.96,39.04 461.81,39.04 461.95,39.17 461.95,40.62 461.56,41 449.21,41 449.03,40.82 449.03,33.43 449.72,32.73 454.31,32.73
SH12_L_SWR_5TO1_OUT on BOTTOM: 463.23,46.85 463.85,46.85 464.41,46.29 466.77,46.29 466.9,46.16 466.9,43.78 466.7,43.58 461.99,43.58 461.09,44.48 461.09,45.66 460.97,45.79 459.82,45.79 459.68,45.65 459.68,45.04 459.64,45 458.84,45 458.76,45.07 458.76,46.55 459.9,47.68 459.9,50.1 461.8,52 463.9,52 464.1,52.2 464.1,55.82 464.29,56.01 466.67,56.01 467.04,55.65 467.04,51.67 465.42,50.05 463.71,50.05 463.12,49.47 463.12,46.96
SH12_LDO_5TO3_OUT on BOTTOM: 470.96,37.82 469.83,37.82 469.67,37.98 469.67,38.49 469.81,38.63 471.47,38.63 472.31,37.79 473.35,37.79 473.53,37.61 473.53,35.8 473.5,35.77 472.36,35.77 471.95,36.19 471.95,36.83
SH12_LDO_5TO3_OUT on BOTTOM: 461.72,43.11 461.97,42.87 461.97,41.94 461.79,41.76 445.5,41.76 445.31,41.94 445.31,44.21 445.48,44.38 447,44.38 447.2,44.18 447.2,43.29 447.38,43.11
SH12_LDO_5TO3_OUT on BOTTOM: 463.29,28.93 458.57,28.93 458.5,29 458.5,30.32 458.64,30.46 462.64,30.46 462.78,30.6 462.78,34.67 461.72,35.73 461.72,37.49 461.82,37.59 462.79,37.59 463.1,37.28 463.1,36.41 464.13,35.38 464.13,29.77
SH12_LDO_5TO3_OUT on BOTTOM: 458.85,44.66 459.54,44.66 459.67,44.53 459.67,43.55 459.51,43.39 457.04,43.39 456.84,43.59 456.84,47.83 457.53,48.52 457.53,51.79 457.77,52.03 459.46,52.03 459.65,52.22 459.65,53.79 459.75,53.89 461.02,53.89 461.17,53.74 461.17,52.09 459.49,50.42 459.49,47.89 458.47,46.87 458.47,45.04
SH12_LDO_5TO3_OUT on BOTTOM: 467.33,37.48 467.39,37.54 468.3,37.54 468.44,37.4 468.44,36.28 470.12,34.6 470.12,31.91 470,31.79 468.67,31.79 468.59,31.87 468.59,34.13 467.33,35.39
SH12_LDO_5TO3_OUT on L07_SIGNAL: 457.8,44.86 457.8,39.83 461.92,35.72 470.4,35.72 472.04,37.36 481.66,37.36 483.92,35.1 483.92,23.51 481.64,21.23 446.19,21.23 442.72,24.7 442.72,58.58 443.48,59.34 470.33,59.34 473.07,56.6 473.07,44.02 471.5,42.45 467.55,42.45 463.88,46.12 459.06,46.12
SH12_SWR_5TO1_OUT on TOP: 456.13,38.35 456.13,36.07 456.48,35.72 457.77,35.72 459.03,36.98 459.45,36.98 459.74,37.27 459.74,37.56 458.73,38.58 456.35,38.58
SH12_SWR_5TO1_OUT on BOTTOM: 456.06,37.91 456.06,35.57 456.37,35.26 457.82,35.26 458.1,35.53 458.1,37.92 457.8,38.22 456.37,38.22
SH12_USB_AVDD10 on BOTTOM: 474.71,38.89 469.87,38.89 469.54,39.22 469.54,43.29 469.63,43.38 484.3,43.38 484.48,43.19 484.48,41 483.89,40.41 476.24,40.41
SH21_L_SWR_5TO1_OUT on BOTTOM: 287.74,429.32 287.12,429.32 286.56,429.88 284.2,429.88 284.07,430.02 284.07,432.4 284.27,432.59 288.98,432.59 289.88,431.69 289.88,430.51 290,430.39 291.15,430.39 291.29,430.53 291.29,431.14 291.33,431.18 292.13,431.18 292.21,431.1 292.21,429.63 291.07,428.49 291.07,426.07 289.17,424.17 287.07,424.17 286.87,423.97 286.87,420.36 286.68,420.16 284.3,420.16 283.93,420.52 283.93,424.51 285.55,426.12 287.26,426.12 287.85,426.71 287.85,429.21
SH21_L_SWR_5TO1_OUT on BOTTOM: 281.07,438.59 280.16,438.59 279.36,439.38 279.36,440 278.81,440.56 277.63,440.56 277.41,440.77 277.41,442.3 277.52,442.4 280.14,442.4 280.56,441.98 280.56,440.45 280.8,440.21 281.15,440.21 281.31,440.05 281.31,438.82
SH21_L_SWR_5TO1_OUT on BOTTOM: 286.31,446.47 286.31,440.66 287.23,439.74 287.23,438.73 287.11,438.61 286,438.61 285.83,438.78 285.83,439.22 285.14,439.91 285.14,447.95 285.86,448.66 290.36,448.66 291.16,449.46 292.31,449.46 292.42,449.35 292.42,447.88 292.05,447.5 287.34,447.5
SH21_L_SWR_5TO1_OUT on BOTTOM: 295.66,442.44 295.66,438.18 295.91,437.93 299.74,437.93 299.97,437.69 299.97,437.24 299.78,437.05 290.09,437.05 290.01,437.14 289.16,437.14 289.02,437 289.02,435.56 289.41,435.17 301.76,435.17 301.94,435.35 301.94,442.74 301.24,443.44 296.66,443.44
SH21_LDO_5TO3_OUT on BOTTOM: 280.01,438.35 281.14,438.35 281.3,438.19 281.3,437.69 281.16,437.54 279.5,437.54 278.66,438.38 277.62,438.38 277.44,438.57 277.44,440.37 277.47,440.4 278.61,440.4 279.02,439.99 279.02,439.34
SH21_LDO_5TO3_OUT on BOTTOM: 283.63,438.69 283.57,438.63 282.67,438.63 282.53,438.77 282.53,439.89 280.85,441.58 280.85,444.26 280.97,444.38 282.29,444.38 282.38,444.3 282.38,442.05 283.63,440.79
SH21_LDO_5TO3_OUT on BOTTOM: 287.68,447.24 292.39,447.24 292.47,447.17 292.47,445.86 292.32,445.71 288.32,445.71 288.19,445.58 288.19,441.5 289.25,440.44 289.25,438.69 289.15,438.58 288.18,438.58 287.87,438.9 287.87,439.76 286.84,440.8 286.84,446.4
SH21_LDO_5TO3_OUT on BOTTOM: 292.12,431.52 291.43,431.52 291.3,431.65 291.3,432.63 291.46,432.79 293.93,432.79 294.13,432.59 294.13,428.35 293.44,427.66 293.44,424.38 293.2,424.14 291.5,424.14 291.32,423.95 291.32,422.38 291.22,422.28 289.95,422.28 289.8,422.43 289.8,424.08 291.48,425.76 291.48,428.28 292.5,429.3 292.5,431.14
SH21_LDO_5TO3_OUT on BOTTOM: 289.25,433.06 289,433.31 289,434.24 289.18,434.41 305.47,434.41 305.65,434.23 305.65,431.96 305.49,431.8 303.97,431.8 303.77,431.99 303.77,432.88 303.59,433.06
SH21_LDO_5TO3_OUT on L07_SIGNAL: 293.16,431.31 293.16,436.34 289.05,440.45 280.57,440.45 278.93,438.81 269.31,438.81 267.05,441.07 267.05,452.66 269.33,454.94 304.78,454.94 308.25,451.47 308.25,417.59 307.49,416.83 280.64,416.83 277.9,419.58 277.9,432.16 279.47,433.73 283.42,433.73 287.09,430.05 291.91,430.05
SH21_SWR_5TO1_OUT on TOP: 294.84,437.82 294.84,440.11 294.49,440.45 293.2,440.45 291.94,439.19 291.52,439.19 291.23,438.9 291.23,438.61 292.24,437.6 294.61,437.6
SH21_SWR_5TO1_OUT on BOTTOM: 294.91,438.26 294.91,440.6 294.6,440.92 293.15,440.92 292.87,440.64 292.87,438.25 293.17,437.95 294.6,437.95
SH21_USB_AVDD10 on BOTTOM: 276.26,437.28 281.1,437.28 281.43,436.95 281.43,432.89 281.34,432.79 266.67,432.79 266.49,432.98 266.49,435.17 267.08,435.76 274.73,435.76
SH21_XTAL_IN on BOTTOM (solid shape): 280.28,427.94 280.33,427.92 280.34,427.88 280.3,426.79 279.69,427.28 279.1,427.79
SH22_L_SWR_5TO1_OUT on BOTTOM: 225.73,429.32 225.11,429.32 224.55,429.88 222.19,429.88 222.06,430.02 222.06,432.4 222.26,432.59 226.97,432.59 227.87,431.69 227.87,430.51 227.99,430.39 229.14,430.39 229.28,430.53 229.28,431.14 229.32,431.18 230.12,431.18 230.2,431.1 230.2,429.63 229.06,428.49 229.06,426.07 227.16,424.17 225.06,424.17 224.86,423.97 224.86,420.36 224.67,420.16 222.29,420.16 221.92,420.52 221.92,424.51 223.54,426.12 225.25,426.12 225.84,426.71 225.84,429.21
SH22_L_SWR_5TO1_OUT on BOTTOM: 233.65,442.44 233.65,438.18 233.9,437.93 237.73,437.93 237.96,437.69 237.96,437.24 237.77,437.05 228.08,437.05 228,437.14 227.15,437.14 227.01,437 227.01,435.56 227.4,435.17 239.75,435.17 239.93,435.35 239.93,442.74 239.24,443.44 234.65,443.44
SH22_L_SWR_5TO1_OUT on BOTTOM: 224.3,446.47 224.3,440.66 225.22,439.74 225.22,438.73 225.1,438.61 223.99,438.61 223.82,438.78 223.82,439.22 223.13,439.91 223.13,447.95 223.85,448.66 228.35,448.66 229.15,449.46 230.31,449.46 230.41,449.35 230.41,447.88 230.04,447.5 225.33,447.5
SH22_L_SWR_5TO1_OUT on BOTTOM: 219.07,438.59 218.15,438.59 217.35,439.38 217.35,440 216.8,440.56 215.62,440.56 215.4,440.77 215.4,442.3 215.51,442.4 218.13,442.4 218.55,441.98 218.55,440.45 218.79,440.21 219.14,440.21 219.3,440.05 219.3,438.82
SH22_LDO_5TO3_OUT on BOTTOM: 225.67,447.24 230.39,447.24 230.46,447.17 230.46,445.86 230.32,445.71 226.32,445.71 226.18,445.58 226.18,441.5 227.24,440.44 227.24,438.69 227.14,438.58 226.17,438.58 225.86,438.9 225.86,439.76 224.83,440.8 224.83,446.4
SH22_LDO_5TO3_OUT on BOTTOM: 227.24,433.06 226.99,433.31 226.99,434.24 227.17,434.41 243.46,434.41 243.64,434.23 243.64,431.96 243.48,431.8 241.96,431.8 241.76,431.99 241.76,432.88 241.58,433.06
SH22_LDO_5TO3_OUT on BOTTOM: 230.11,431.52 229.42,431.52 229.29,431.65 229.29,432.63 229.45,432.79 231.92,432.79 232.12,432.59 232.12,428.35 231.43,427.66 231.43,424.38 231.19,424.14 229.5,424.14 229.31,423.95 229.31,422.38 229.21,422.28 227.94,422.28 227.79,422.43 227.79,424.08 229.47,425.76 229.47,428.28 230.49,429.3 230.49,431.14
SH22_LDO_5TO3_OUT on BOTTOM: 221.63,438.69 221.57,438.63 220.66,438.63 220.52,438.77 220.52,439.89 218.84,441.58 218.84,444.26 218.96,444.38 220.29,444.38 220.37,444.3 220.37,442.05 221.63,440.79
SH22_LDO_5TO3_OUT on BOTTOM: 218,438.35 219.13,438.35 219.29,438.19 219.29,437.69 219.15,437.54 217.49,437.54 216.65,438.38 215.61,438.38 215.43,438.57 215.43,440.37 215.46,440.4 216.6,440.4 217.01,439.99 217.01,439.34
SH22_LDO_5TO3_OUT on L07_SIGNAL: 231.15,431.31 231.15,436.34 227.04,440.45 218.56,440.45 216.92,438.81 207.3,438.81 205.04,441.07 205.04,452.66 207.32,454.94 242.77,454.94 246.24,451.47 246.24,417.59 245.48,416.83 218.63,416.83 215.89,419.58 215.89,432.16 217.46,433.73 221.41,433.73 225.08,430.05 229.9,430.05
SH22_SWR_5TO1_OUT on TOP: 232.83,437.82 232.83,440.11 232.48,440.45 231.19,440.45 229.93,439.19 229.51,439.19 229.22,438.9 229.22,438.61 230.23,437.6 232.61,437.6
SH22_SWR_5TO1_OUT on BOTTOM: 232.9,438.26 232.9,440.6 232.59,440.92 231.14,440.92 230.86,440.64 230.86,438.25 231.16,437.95 232.59,437.95
SH22_USB_AVDD10 on BOTTOM: 214.25,437.28 219.09,437.28 219.42,436.95 219.42,432.89 219.33,432.79 204.66,432.79 204.48,432.98 204.48,435.17 205.07,435.76 212.72,435.76
SH31_L_SWR_5TO1_OUT on BOTTOM: 465.52,429.32 464.91,429.32 464.35,429.88 461.99,429.88 461.86,430.02 461.86,432.4 462.05,432.59 466.76,432.59 467.66,431.69 467.66,430.51 467.79,430.39 468.94,430.39 469.08,430.53 469.08,431.14 469.12,431.18 469.91,431.18 469.99,431.1 469.99,429.63 468.86,428.49 468.86,426.07 466.95,424.17 464.86,424.17 464.66,423.97 464.66,420.36 464.46,420.16 462.08,420.16 461.72,420.52 461.72,424.51 463.33,426.12 465.05,426.12 465.63,426.71 465.63,429.21
SH31_L_SWR_5TO1_OUT on BOTTOM: 458.86,438.59 457.94,438.59 457.15,439.38 457.15,440 456.59,440.56 455.41,440.56 455.2,440.77 455.2,442.3 455.31,442.4 457.92,442.4 458.35,441.98 458.35,440.45 458.59,440.21 458.93,440.21 459.09,440.05 459.09,438.82
SH31_L_SWR_5TO1_OUT on BOTTOM: 464.09,446.47 464.09,440.66 465.02,439.74 465.02,438.73 464.9,438.61 463.79,438.61 463.62,438.78 463.62,439.22 462.92,439.91 462.92,447.95 463.64,448.66 468.15,448.66 468.95,449.46 470.1,449.46 470.21,449.35 470.21,447.88 469.84,447.5 465.12,447.5
SH31_L_SWR_5TO1_OUT on BOTTOM: 473.45,442.44 473.45,438.18 473.7,437.93 477.52,437.93 477.76,437.69 477.76,437.24 477.57,437.05 467.88,437.05 467.8,437.14 466.94,437.14 466.81,437 466.81,435.56 467.19,435.17 479.55,435.17 479.73,435.35 479.73,442.74 479.03,443.44 474.45,443.44
SH31_LDO_5TO3_OUT on BOTTOM: 465.46,447.24 470.18,447.24 470.26,447.17 470.26,445.86 470.11,445.71 466.11,445.71 465.98,445.58 465.98,441.5 467.04,440.44 467.04,438.69 466.93,438.58 465.97,438.58 465.65,438.9 465.65,439.76 464.62,440.8 464.62,446.4
SH31_LDO_5TO3_OUT on BOTTOM: 467.03,433.06 466.78,433.31 466.78,434.24 466.96,434.41 483.26,434.41 483.44,434.23 483.44,431.96 483.28,431.8 481.75,431.8 481.56,431.99 481.56,432.88 481.38,433.06
SH31_LDO_5TO3_OUT on BOTTOM: 469.9,431.52 469.21,431.52 469.08,431.65 469.08,432.63 469.24,432.79 471.72,432.79 471.91,432.59 471.91,428.35 471.23,427.66 471.23,424.38 470.99,424.14 469.29,424.14 469.1,423.95 469.1,422.38 469,422.28 467.74,422.28 467.59,422.43 467.59,424.08 469.27,425.76 469.27,428.28 470.28,429.3 470.28,431.14
SH31_LDO_5TO3_OUT on BOTTOM: 461.42,438.69 461.36,438.63 460.45,438.63 460.32,438.77 460.32,439.89 458.63,441.58 458.63,444.26 458.75,444.38 460.08,444.38 460.16,444.3 460.16,442.05 461.42,440.79
SH31_LDO_5TO3_OUT on BOTTOM: 457.8,438.35 458.93,438.35 459.09,438.19 459.09,437.69 458.94,437.54 457.29,437.54 456.44,438.38 455.41,438.38 455.22,438.57 455.22,440.37 455.25,440.4 456.39,440.4 456.81,439.99 456.81,439.34
SH31_LDO_5TO3_OUT on L07_SIGNAL: 470.95,431.31 470.95,436.34 466.84,440.45 458.36,440.45 456.72,438.81 447.1,438.81 444.84,441.07 444.84,452.66 447.12,454.94 482.57,454.94 486.04,451.47 486.04,417.59 485.28,416.83 458.43,416.83 455.68,419.58 455.68,432.16 457.25,433.73 461.21,433.73 464.88,430.05 469.69,430.05
SH31_SWR_5TO1_OUT on TOP: 472.62,437.82 472.62,440.11 472.27,440.45 470.99,440.45 469.73,439.19 469.31,439.19 469.02,438.9 469.02,438.61 470.03,437.6 472.4,437.6
SH31_SWR_5TO1_OUT on BOTTOM: 472.7,438.26 472.7,440.6 472.38,440.92 470.93,440.92 470.66,440.64 470.66,438.25 470.96,437.95 472.39,437.95
SH31_USB_AVDD10 on BOTTOM: 454.05,437.28 458.89,437.28 459.22,436.95 459.22,432.89 459.12,432.79 444.46,432.79 444.27,432.98 444.27,435.17 444.86,435.76 452.52,435.76
SH32_L_SWR_5TO1_OUT on BOTTOM: 411.44,442.44 411.44,438.18 411.69,437.93 415.51,437.93 415.75,437.69 415.75,437.24 415.56,437.05 405.87,437.05 405.79,437.14 404.93,437.14 404.8,437 404.8,435.56 405.18,435.17 417.54,435.17 417.72,435.35 417.72,442.74 417.02,443.44 412.44,443.44
SH32_L_SWR_5TO1_OUT on BOTTOM: 403.51,429.32 402.9,429.32 402.34,429.88 399.98,429.88 399.85,430.02 399.85,432.4 400.04,432.59 404.75,432.59 405.65,431.69 405.65,430.51 405.78,430.39 406.93,430.39 407.07,430.53 407.07,431.14 407.11,431.18 407.91,431.18 407.98,431.1 407.98,429.63 406.85,428.49 406.85,426.07 404.94,424.17 402.85,424.17 402.65,423.97 402.65,420.36 402.45,420.16 400.07,420.16 399.71,420.52 399.71,424.51 401.32,426.12 403.04,426.12 403.62,426.71 403.62,429.21
SH32_L_SWR_5TO1_OUT on BOTTOM: 396.85,438.59 395.93,438.59 395.14,439.38 395.14,440 394.58,440.56 393.4,440.56 393.19,440.77 393.19,442.3 393.3,442.4 395.91,442.4 396.34,441.98 396.34,440.45 396.58,440.21 396.92,440.21 397.08,440.05 397.08,438.82
SH32_L_SWR_5TO1_OUT on BOTTOM: 402.08,446.47 402.08,440.66 403.01,439.74 403.01,438.73 402.89,438.61 401.78,438.61 401.61,438.78 401.61,439.22 400.91,439.91 400.91,447.95 401.63,448.66 406.14,448.66 406.94,449.46 408.09,449.46 408.2,449.35 408.2,447.88 407.83,447.5 403.11,447.5
SH32_LDO_5TO3_OUT on BOTTOM: 403.45,447.24 408.17,447.24 408.25,447.17 408.25,445.86 408.1,445.71 404.1,445.71 403.97,445.58 403.97,441.5 405.03,440.44 405.03,438.69 404.92,438.58 403.96,438.58 403.64,438.9 403.64,439.76 402.61,440.8 402.61,446.4
SH32_LDO_5TO3_OUT on BOTTOM: 395.79,438.35 396.92,438.35 397.08,438.19 397.08,437.69 396.93,437.54 395.28,437.54 394.44,438.38 393.4,438.38 393.21,438.57 393.21,440.37 393.24,440.4 394.38,440.4 394.8,439.99 394.8,439.34
SH32_LDO_5TO3_OUT on BOTTOM: 405.02,433.06 404.78,433.31 404.78,434.24 404.95,434.41 421.25,434.41 421.43,434.23 421.43,431.96 421.27,431.8 419.74,431.8 419.55,431.99 419.55,432.88 419.37,433.06
SH32_LDO_5TO3_OUT on BOTTOM: 399.41,438.69 399.35,438.63 398.44,438.63 398.31,438.77 398.31,439.89 396.62,441.58 396.62,444.26 396.75,444.38 398.07,444.38 398.15,444.3 398.15,442.05 399.41,440.79
